# Altium PCB PCB1-nano-withlogo-SMT.PcbDoc (part 2 of 5)
Units mil, origin at the board's own origin, x right, y up, seen from the top; angles counter-clockwise.
Board outline 3300 x 2100 mil, 2 copper layers (Top Layer, Bottom Layer); 48 components, 47 nets, 232 pads, 66 vias.
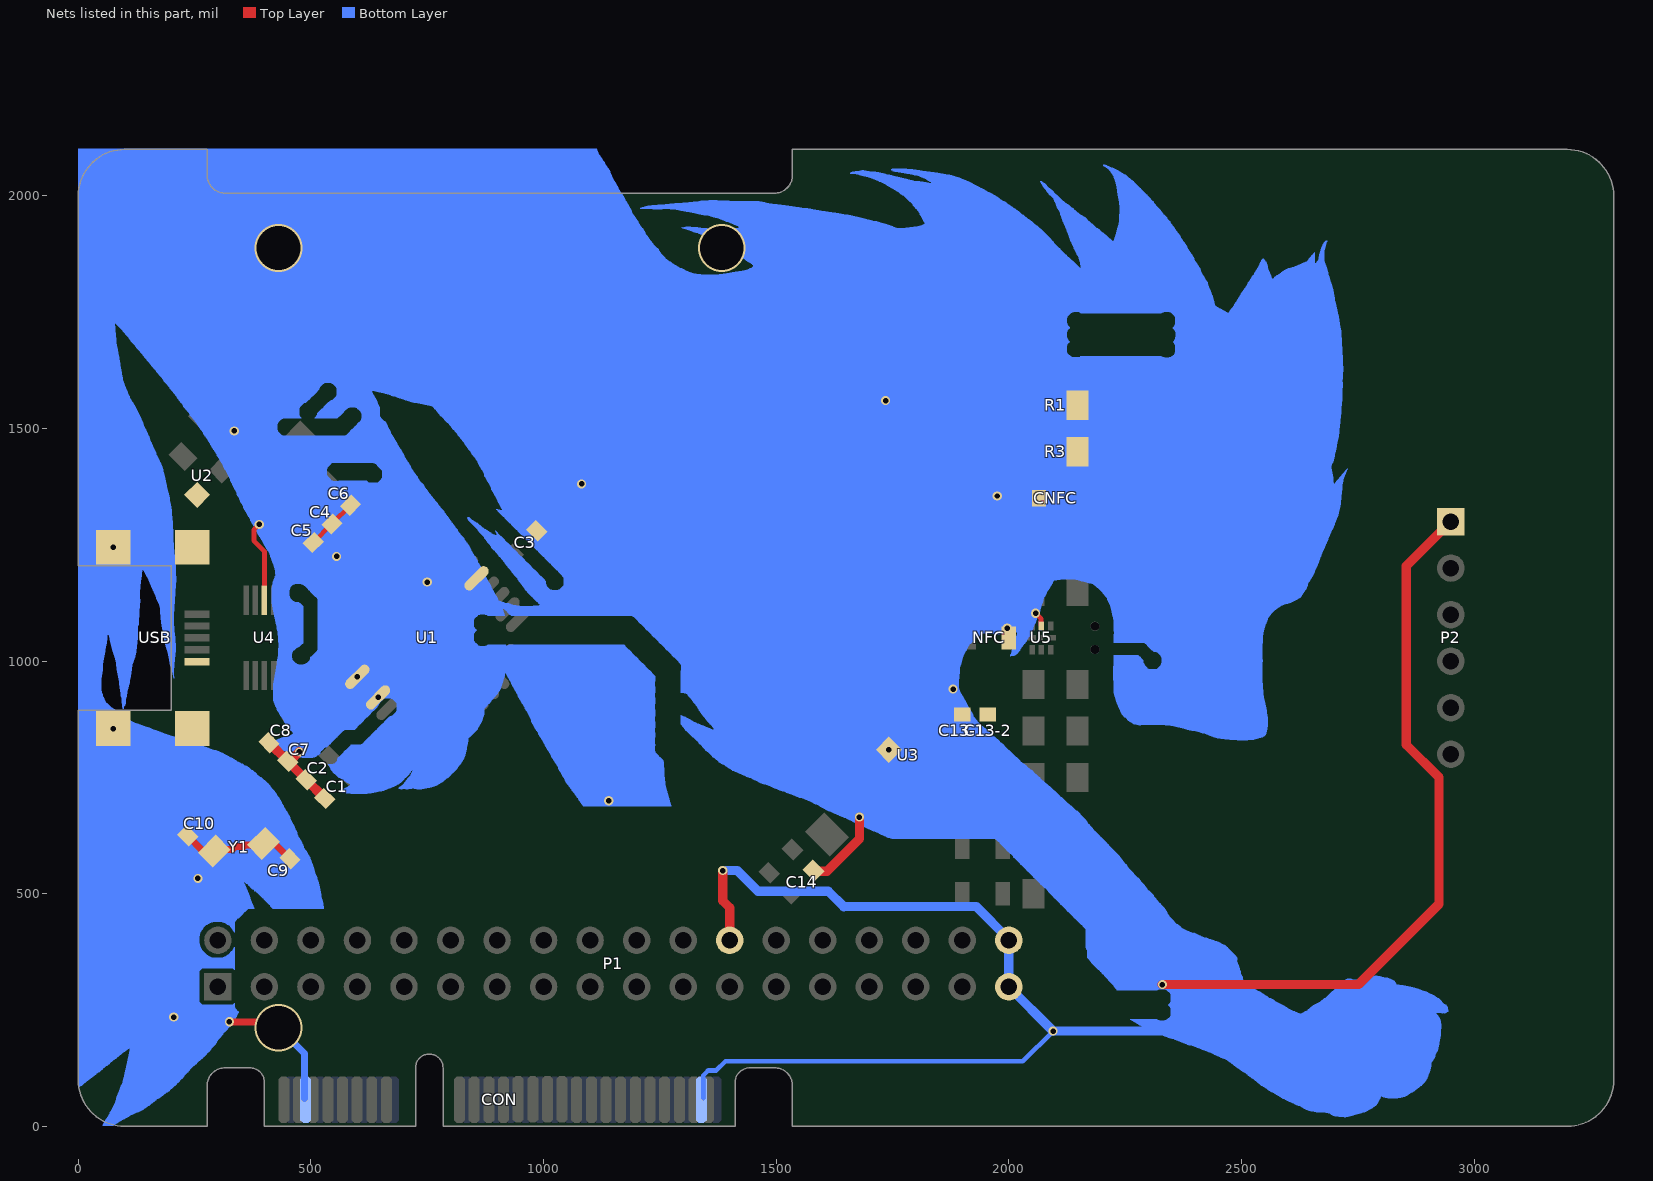
[diagram p2: the nets of this part, all layers, seen from the top]

## Via types
v1: diameter 19.68, hole 11.81, Top Layer to Bottom Layer, 55 vias
v2: diameter 20, hole 19.5, Top Layer to Bottom Layer, tented both sides, 8 vias
v3: diameter 102.36, hole 94.49, Top Layer to Bottom Layer, 3 vias

## Nets (pads, with @x,y where several pads share a name; then routed paths per layer and width w, separated by ;. In a path a pad name is that pad's centre, name@x,y a point inside that pad or via, vN(x,y) a via of type N, cw(c..) or ccw(c..) an arc to the next point about the centre after c; other vN are vias at no path point) (continued)
GND: (continued)
  Bottom Layer w1: 0,84 1,84 ; 0,85 2,85 ; 0,86 3,86 ; 0,87 4,87 ; 0,88 6,88 ; 0,89 7,89 ; 0,90 8,90 ; 0,91 10,91 ; 0,92 11,92 ; 0,93 12,93 ; 0,94 13,94 ; 0,95 15,95 ; 0,96 16,96 ; 0,97 17,97 ; 0,98 18,98 ; 0,99 20,99 ; 0,100 21,100 ; 0,101 22,101 ; 0,102 24,102 ; 0,103 25,103 ; 0,104 26,104 ; 0,105 27,105 ; 0,106 29,106 ; 0,107 30,107 ; 0,108 31,108 ; 0,109 33,109 ; 0,110 34,110 ; 0,111 35,111 ; 0,112 37,112 ; 0,113 38,113 ; 0,114 39,114 ; 0,115 41,115 ; 0,116 42,116 ; 0,117 43,117 ; 0,118 45,118 ; 0,119 46,119 ; 0,120 47,120 ; 0,121 48,121 ; 0,122 49,122 ; 0,123 51,123 ; 0,124 52,124 ; 0,125 53,125 ; 0,126 54,126 ; 0,127 56,127 ; 0,128 57,128 ; 0,129 58,129 ; 0,130 59,130 ; 0,131 61,131 ; 0,132 62,132 ; 0,133 63,133 ; 0,134 64,134 ; 0,135 66,135 ; 0,136 67,136 ; 0,137 68,137 ; 0,138 69,138 ; 0,139 70,139 ; 0,140 72,140 ; 0,141 73,141 ; 0,142 74,142 ; 0,143 75,143 ; 0,144 77,144 ; 0,145 78,145 ; 0,146 79,146 ; 0,147 81,147 ; 0,148 82,148 ; 0,149 83,149 ; 0,150 84,150 ; 0,151 86,151 ; 0,152 87,152 ; 0,153 88,153 ; 0,154 89,154 ; 0,155 91,155 ; 0,156 92,156 ; 0,157 93,157 ; 0,158 94,158 ; 0,159 96,159 ; 0,160 97,160 ; 0,161 98,161 ; 0,162 100,162 ; 0,163 101,163 ; 0,164 102,164 ; 0,165 104,165 ; 0,166 105,166 ; 0,167 106,167 ; 0,168 108,168 ; 0,169 109,169 ; 0,170 110,170 ; 0,171 289,171 ; 0,172 290,172 ; 0,173 291,173 ; 0,174 292,174 ; 0,175 292,175 ; 0,176 293,176 ; 0,177 294,177 ; 0,178 295,178 ; 0,179 295,179 ; 0,180 296,180 ; 0,181 297,181 ; 0,182 297,182 ; 0,183 298,183 ; 0,184 299,184 ; 0,185 300,185 ; 0,186 300,186 ; 0,187 301,187 ; 0,188 302,188 ; 0,189 303,189 ; 0,190 303,190 ; 0,191 304,191 ; 0,192 305,192 ; 0,193 306,193 ; 0,194 307,194 ; 0,195 307,195 ; 0,196 308,196 ; 0,197 309,197 ; 0,198 310,198 ; 0,199 311,199 ; 0,200 311,200 ; 0,201 312,201 ; 0,202 313,202 ; 0,203 314,203 ; 0,204 315,204 ; 0,205 316,205 ; 0,206 317,206 ; 0,207 318,207 ; 0,208 319,208 ; 0,209 320,209 ; 0,210 321,210 ; 0,211 321,211 ; 0,212 322,212 ; 0,213 323,213 ; 0,214 324,214 ; 0,215 325,215 ; 0,216 v1@326,216 ; 0,217 v1@326,217 ; 0,218 v1@327,218 ; 0,219 v1@328,219 ; 0,220 v1@329,220 ; 0,221 v1@330,221 ; 0,222 v1@330,222 ; 0,223 v1@331,223 ; 0,224 v1@332,224 ; 0,225 v1@332,225 ; 0,226 v1@333,226 ; 0,227 v1@334,227 ; 0,228 v1@334,228 ; 0,229 335,229 ; 0,230 335,230 ; 0,231 336,231 ; 0,232 336,232 ; 0,233 337,233 ; 0,234 338,234 ; 0,235 338,235 ; 0,236 339,236 ; 0,237 340,237 ; 0,238 340,238 ; 0,239 341,239 ; 0,240 342,240 ; 0,241 342,241 ; 0,242 343,242 ; 0,243 343,243 ; 0,244 344,244 ; 0,245 345,245 ; 0,246 345,246 ; 0,247 344,247 ; 0,248 343,248 ; 0,249 342,249 ; 0,250 341,250 ; 0,251 340,251 ; 0,252 339,252 ; 0,253 338,253 ; 0,254 337,254 ; 0,255 337,255 ; 0,256 336,256 ; 0,257 336,257 ; 0,258 336,258 ; 0,259 336,259 ; 0,260 336,260 ; 0,261 336,261 ; 0,262 336,262 ; 0,263 265,263 ; 0,264 264,264 ; 0,265 263,265 ; 0,266 262,266 ; 0,267 261,267 ; 0,268 260,268 ; 0,269 260,269 ; 0,270 260,270 ; 0,271 260,271 ; 0,272 260,272 ; 0,273 260,273 ; 0,274 260,274 ; 0,275 260,275 ; 0,276 260,276 ; 0,277 260,277 ; 0,278 260,278 ; 0,279 260,279 ; 0,280 260,280 ; 0,281 260,281 ; 0,282 260,282 ; 0,283 260,283 ; 0,284 260,284 ; 0,285 260,285 ; 0,286 260,286 ; 0,287 260,287 ; 0,288 260,288 ; 0,289 260,289 ; 0,290 260,290 ; 0,291 260,291 ; 0,292 260,292 ; 0,293 260,293 ; 0,294 260,294 ; 0,295 260,295 ; 0,296 260,296 ; 0,297 260,297 ; 0,298 260,298 ; 0,299 260,299 ; 0,300 260,300 ; 0,301 260,301 ; 0,302 260,302 ; 0,303 260,303 ; 0,304 260,304 ; 0,305 260,305 ; 0,306 260,306 ; 0,307 260,307 ; 0,308 260,308 ; 0,309 260,309 ; 0,310 260,310 ; 0,311 260,311 ; 0,312 260,312 ; 0,313 260,313 ; 0,314 260,314 ; 0,315 260,315 ; 0,316 260,316 ; 0,317 260,317 ; 0,318 260,318 ; 0,319 260,319 ; 0,320 260,320 ; 0,321 260,321 ; 0,322 260,322 ; 0,323 260,323 ; 0,324 260,324 ; 0,325 260,325 ; 0,326 260,326 ; 0,327 260,327 ; 0,328 260,328 ; 0,329 260,329 ; 0,330 260,330 ; 0,331 260,331 ; 0,332 260,332 ; 0,333 260,333 ; 0,334 260,334 ; 0,335 260,335 ; 0,336 261,336 ; 0,337 262,337 ; 0,338 263,338 ; 0,339 264,339 ; 0,340 265,340 ; 0,341 336,341 ; 0,342 336,342 ; 0,343 336,343 ; 0,344 336,344 ; 0,345 336,345 ; 0,346 336,346 ; 0,347 336,347 ; 0,348 336,348 ; 0,349 336,349 ; 0,350 336,350 ; 0,351 336,351 ; 0,352 336,352 ; 0,353 336,353 ; 0,354 336,354 ; 0,355 336,355 ; 0,356 336,356 ; 0,357 336,357 ; 0,358 336,358 ; 0,359 336,359 ; 0,360 336,360 ; 0,361 336,361 ; 0,362 336,362 ; 0,363 336,363 ; 0,364 286,364 ; 0,365 283,365 ; 0,366 281,366 ; 0,367 279,367 ; 0,368 278,368 ; 0,369 276,369 ; 0,370 275,370 ; 0,371 274,371 ; 0,372 273,372 ; 0,373 272,373 ; 0,374 271,374 ; 0,375 270,375 ; 0,376 269,376 ; 0,377 268,377 ; 0,378 267,378 ; 0,379 266,379 ; 0,380 265,380 ; 0,381 265,381 ; 0,382 264,382 ; 0,383 264,383 ; 0,384 263,384 ; 0,385 263,385 ; 0,386 262,386 ; 0,387 262,387 ; 0,388 262,388 ; 0,389 261,389 ; 0,390 261,390 ; 0,391 261,391 ; 0,392 261,392 ; 0,393 261,393 ; 0,394 260,394 ; 0,395 260,395 ; 0,396 260,396 ; 0,397 260,397 ; 0,398 260,398 ; 0,399 260,399 ; 0,400 260,400 ; 0,401 260,401 ; 0,402 260,402 ; 0,403 260,403 ; 0,404 260,404 ; 0,405 260,405 ; 0,406 260,406 ; 0,407 260,407 ; 0,408 260,408 ; 0,409 260,409 ; 0,410 260,410 ; 0,411 261,411 ; 0,412 261,412 ; 0,413 261,413 ; 0,414 261,414 ; 0,415 261,415 ; 0,416 262,416 ; 0,417 262,417 ; 0,418 262,418 ; 0,419 263,419 ; 0,420 263,420 ; 0,421 264,421 ; 0,422 264,422 ; 0,423 265,423 ; 0,424 266,424 ; 0,425 267,425 ; 0,426 267,426 ; 0,427 268,427 ; 0,428 269,428 ; 0,429 270,429 ; 0,430 271,430 ; 0,431 272,431 ; 0,432 273,432 ; 0,433 274,433 ; 0,434 276,434 ; 0,435 277,435 ; 0,436 278,436 ; 0,437 280,437 ; 0,438 282,438 ; 0,439 285,439 ; 0,440 289,440 ; 0,441 337,441 ; 0,442 337,442 ; 0,443 338,443 ; 0,444 339,444 ; 0,445 340,445 ; 0,446 341,446 ; 0,447 342,447 ; 0,448 344,448 ; 0,449 345,449 ; 0,450 346,450 ; 0,451 347,451 ; 0,452 348,452 ; 0,453 349,453 ; 0,454 350,454 ; 0,455 351,455 ; 0,456 352,456 ; 0,457 353,457 ; 0,458 354,458 ; 0,459 355,459 ; 0,460 356,460 ; 0,461 357,461 ; 0,462 358,462 ; 0,463 359,463 ; 0,464 360,464 ; 0,465 361,465 ; 0,466 362,466 ; 0,467 363,467 ; 0,468 364,468 ; 0,469 378,469 ; 0,470 378,470 ; 0,471 377,471 ; 0,472 377,472 ; 0,473 376,473 ; 0,474 376,474 ; 0,475 376,475 ; 0,476 375,476 ; 0,477 375,477 ; 0,478 374,478 ; 0,479 374,479 ; 0,480 374,480 ; 0,481 373,481 ; 0,482 373,482 ; 0,483 373,483 ; 0,484 372,484 ; 0,485 372,485 ; 0,486 371,486 ; 0,487 371,487 ; 0,488 371,488 ; 0,489 370,489 ; 0,490 370,490 ; 0,491 370,491 ; 0,492 369,492 ; 0,493 369,493 ; 0,494 368,494 ; 0,495 368,495 ; 0,496 368,496 ; 0,497 367,497 ; 0,498 367,498 ; 0,499 366,499 ; 0,500 366,500 ; 0,501 366,501 ; 0,502 365,502 ; 0,503 365,503 ; 0,504 364,504 ; 0,505 364,505 ; 0,506 364,506 ; 0,507 363,507 ; 0,508 363,508 ; 0,509 363,509 ; 0,510 362,510 ; 0,511 362,511 ; 0,512 361,512 ; 0,513 361,513 ; 0,514 361,514 ; 0,515 360,515 ; 0,516 360,516 ; 0,517 359,517 ; 0,518 359,518 ; 0,519 359,519 ; 0,520 358,520 ; 0,521 358,521 ; 0,522 357,522 ; 0,523 357,523 ; 0,524 356,524 ; 0,525 356,525 ; 0,526 356,526 ; 0,527 355,527 ; 0,528 516,528 ; 0,529 515,529 ; 0,530 515,530 ; 0,531 514,531 ; 0,532 514,532 ; 0,533 514,533 ; 0,534 513,534 ; 0,535 513,535 ; 0,536 513,536 ; 0,537 512,537 ; 0,538 512,538 ; 0,539 511,539 ; 0,540 511,540 ; 0,541 510,541 ; 0,542 510,542 ; 0,543 509,543 ; 0,544 509,544 ; 0,545 509,545 ; 0,546 508,546 ; 0,547 508,547 ; 0,548 508,548 ; 0,549 508,549 ; 0,550 507,550 ; 0,551 507,551 ; 0,552 507,552 ; 0,553 507,553 ; 0,554 507,554 ; 0,555 506,555 ; 0,556 506,556 ; 0,557 506,557 ; 0,558 505,558 ; 0,559 505,559 ; 0,560 505,560 ; 0,561 504,561 ; 0,562 504,562 ; 0,563 504,563 ; 0,564 503,564 ; 0,565 503,565 ; 0,566 503,566 ; 0,567 502,567 ; 0,568 502,568 ; 0,569 502,569 ; 0,570 501,570 ; 0,571 501,571 ; 0,572 501,572 ; 0,573 500,573 ; 0,574 500,574 ; 0,575 499,575 ; 0,576 499,576 ; 0,577 498,577 ; 0,578 498,578 ; 0,579 497,579 ; 0,580 497,580 ; 0,581 496,581 ; 0,582 496,582 ; 0,583 495,583 ; 0,584 494,584 ; 0,585 494,585 ; 0,586 493,586 ; 0,587 493,587 ; 0,588 492,588 ; 0,589 492,589 ; 0,590 491,590 ; 0,591 491,591 ; 0,592 490,592 ; 0,593 489,593 ; 0,594 489,594 ; 0,595 488,595 ; 0,596 487,596 ; 0,597 487,597 ; 0,598 486,598 ; 0,599 485,599 ; 0,600 485,600 ; 0,601 484,601 ; 0,602 484,602 ; 0,603 483,603 ; 0,604 483,604 ; 0,605 483,605 ; 0,606 482,606 ; 0,607 482,607 ; 0,608 481,608 ; 0,609 481,609 ; 0,610 481,610 ; 0,611 480,611 ; 0,612 480,612 ; 0,613 479,613 ; 0,614 479,614 ; 0,615 478,615 ; 0,616 477,616 ; 0,617 477,617 ; 0,618 476,618 ; 0,619 476,619 ; 0,620 475,620 ; 0,621 474,621 ; 0,622 474,622 ; 0,623 473,623 ; 0,624 473,624 ; 0,625 473,625 ; 0,626 472,626 ; 0,627 472,627 ; 0,628 471,628 ; 0,629 471,629 ; 0,630 471,630 ; 0,631 470,631 ; 0,632 470,632 ; 0,633 469,633 ; 0,634 469,634 ; 0,635 468,635 ; 0,636 468,636 ; 0,637 468,637 ; 0,638 467,638 ; 0,639 466,639 ; 0,640 466,640 ; 0,641 466,641 ; 0,642 465,642 ; 0,643 465,643 ; 0,644 465,644 ; 0,645 464,645 ; 0,646 464,646 ; 0,647 463,647 ; 0,648 463,648 ; 0,649 462,649 ; 0,650 462,650 ; 0,651 461,651 ; 0,652 461,652 ; 0,653 460,653 ; 0,654 460,654 ; 0,655 459,655 ; 0,656 459,656 ; 0,657 458,657 ; 0,658 458,658 ; 0,659 457,659 ; 0,660 457,660 ; 0,661 456,661 ; 0,662 456,662 ; 0,663 455,663 ; 0,664 455,664 ; 0,665 455,665 ; 0,666 454,666 ; 0,667 454,667 ; 0,668 453,668 ; 0,669 453,669 ; 0,670 452,670 ; 0,671 451,671 ; 0,672 451,672 ; 0,673 450,673 ; 0,674 450,674 ; 0,675 449,675 ; 0,676 449,676 ; 0,677 448,677 ; 0,678 447,678 ; 0,679 447,679 ; 0,680 446,680 ; 0,681 446,681 ; 0,682 445,682 ; 0,683 445,683 ; 0,684 444,684 ; 0,685 443,685 ; 0,686 443,686 ; 0,687 442,687 ; 0,688 441,688 ; 0,689 441,689 ; 0,690 440,690 ; 0,691 439,691 ; 0,692 439,692 ; 0,693 438,693 ; 0,694 437,694 ; 0,695 437,695 ; 0,696 437,696 ; 0,697 437,697 ; 0,698 436,698 ; 0,699 436,699 ; 0,700 435,700 ; 0,701 435,701 ; 0,702 434,702 ; 0,703 433,703 ; 0,704 433,704 ; 0,705 432,705 ; 0,706 432,706 ; 0,707 431,707 ; 0,708 430,708 ; 0,709 430,709 ; 0,710 429,710 ; 0,711 428,711 ; 0,712 428,712 ; 0,713 427,713 ; 0,714 426,714 ; 0,715 425,715 ; 0,716 425,716 ; 0,717 424,717 ; 0,718 423,718 ; 0,719 422,719 ; 0,720 422,720 ; 0,721 421,721 ; 0,722 420,722 ; 0,723 420,723 ; 0,724 419,724 ; 0,725 418,725 ; 0,726 417,726 ; 0,727 416,727 ; 0,728 415,728 ; 0,729 415,729 ; 0,730 414,730 ; 0,731 413,731 ; 0,732 412,732 ; 0,733 411,733 ; 0,734 410,734 ; 0,735 409,735 ; 0,736 409,736 ; 0,737 408,737 ; 0,738 407,738 ; 0,739 406,739 ; 0,740 405,740 ; 0,741 404,741 ; 0,742 403,742 ; 0,743 402,743 ; 0,744 401,744 ; 0,745 398,745 ; 0,746 397,746 ; 0,747 396,747 ; 0,748 395,748 ; 0,749 394,749 ; 0,750 393,750 ; 0,751 391,751 ; 0,752 390,752 ; 0,753 389,753 ; 0,754 388,754 ; 0,755 386,755 ; 0,756 385,756 ; 0,757 384,757 ; 0,758 383,758 ; 0,759 382,759 ; 0,760 381,760 ; 0,761 380,761 ; 0,762 378,762 ; 0,763 377,763 ; 0,764 376,764 ; 0,765 375,765 ; 0,766 374,766 ; 0,767 372,767 ; 0,768 371,768 ; 0,769 370,769 ; 0,770 368,770 ; 0,771 367,771 ; 0,772 366,772 ; 0,773 364,773 ; 0,774 363,774 ; 0,775 361,775 ; 0,776 357,776 ; 0,777 356,777 ; 0,778 354,778 ; 0,779 353,779 ; 0,780 351,780 ; 0,781 349,781 ; 0,782 348,782 ; 0,783 346,783 ; 0,784 344,784 ; 0,785 341,785 ; 0,786 340,786 ; 0,787 338,787 ; 0,788 336,788 ; 0,789 335,789 ; 0,790 333,790 ; 0,791 332,791 ; 0,792 330,792 ; 0,793 327,793 ; 0,794 326,794 ; 0,795 324,795 ; 0,796 323,796 ; 0,797 321,797 ; 0,798 319,798 ; 0,799 317,799 ; 0,800 315,800 ; 0,801 313,801 ; 0,802 311,802 ; 0,803 309,803 ; 0,804 306,804 ; 0,805 304,805 ; 0,806 302,806 ; 0,807 299,807 ; 0,808 296,808 ; 0,809 293,809 ; 0,810 290,810 ; 0,811 287,811 ; 0,812 284,812 ; 0,813 281,813 ; 0,814 279,814 ; 0,815 276,815 ; 0,816 273,816 ; 0,817 270,817 ; 0,818 267,818 ; 0,819 264,819 ; 0,820 261,820 ; 0,821 258,821 ; 0,822 255,822 ; 0,823 253,823 ; 0,824 250,824 ; 0,825 247,825 ; 0,826 245,826 ; 0,827 242,827 ; 0,828 240,828 ; 0,829 238,829 ; 0,830 235,830 ; 0,831 232,831 ; 0,832 228,832 ; 0,833 224,833 ; 0,834 219,834 ; 0,835 216,835 ; 0,836 213,836 ; 0,837 210,837 ; 0,838 207,838 ; 0,839 204,839 ; 0,840 200,840 ; 0,841 197,841 ; 0,842 193,842 ; 0,843 190,843 ; 0,844 187,844 ; 0,845 184,845 ; 0,846 181,846 ; 0,847 178,847 ; 0,848 176,848 ; 0,849 173,849 ; 0,850 170,850 ; 0,851 167,851 ; 0,852 165,852 ; 0,853 163,853 ; 0,854 160,854 ; 0,855 158,855 ; 0,856 156,856 ; 0,857 153,857 ; 0,858 150,858 ; 0,859 146,859 ; 0,860 143,860 ; 0,861 140,861 ; 0,862 137,862 ; 0,863 134,863 ; 0,864 131,864 ; 0,865 129,865 ; 0,866 126,866 ; 0,867 124,867 ; 0,868 121,868 ; 0,869 119,869 ; 0,870 117,870 ; 0,871 115,871 ; 0,872 113,872 ; 0,873 111,873 ; 0,874 110,874 ; 0,875 109,875 ; 0,876 108,876 ; 0,877 107,877 ; 0,878 106,878 ; 0,879 105,879 ; 0,880 104,880 ; 0,881 103,881 ; 0,882 102,882 ; 0,883 100,883 ; 0,884 99,884 ; 0,885 98,885 ; 0,886 97,886 ; 0,887 95,887 ; 0,888 93,888 ; 0,889 92,889 ; 0,890 90,890 ; 0,891 88,891 ; 0,892 86,892 ; 0,893 85,893 ; 0,894 83,894 ; 0,895 81,895 ; 0,896 79,896 ; 0,897 78,897 ; 0,898 76,898 ; 0,899 74,899 ; 0,900 73,900 ; 0,901 71,901 ; 0,902 70,902 ; 0,903 69,903 ; 0,904 68,904 ; 0,905 66,905 ; 0,906 65,906 ; 0,907 64,907 ; 0,908 63,908 ; 0,909 62,909 ; 0,910 61,910 ; 0,911 60,911 ; 0,912 59,912 ; 0,913 59,913 ; 0,914 58,914 ; 0,915 58,915 ; 0,916 57,916 ; 0,917 57,917 ; 0,918 56,918 ; 0,919 56,919 ; 0,920 56,920 ; 0,921 55,921 ; 0,922 55,922 ; 0,923 54,923 ; 0,924 54,924 ; 0,925 53,925 ; 0,926 53,926 ; 0,927 52,927 ; 0,928 52,928 ; 0,929 52,929 ; 0,930 51,930 ; 0,931 51,931 ; 0,932 50,932 ; 0,933 50,933 ; 0,934 50,934 ; 0,935 50,935 ; 0,936 49,936 ; 0,937 49,937 ; 0,938 49,938 ; 0,939 49,939 ; 0,940 49,940 ; 0,941 49,941 ; 0,942 49,942 ; 0,943 49,943 ; 0,944 49,944 ; 0,945 49,945 ; 0,946 49,946 ; 0,947 49,947 ; 0,948 49,948 ; 0,949 49,949 ; 0,950 49,950 ; 0,951 49,951 ; 0,952 49,952 ; 0,953 49,953 ; 0,954 49,954 ; 0,955 49,955 ; 0,956 49,956 ; 0,957 49,957 ; 0,958 49,958 ; 0,959 49,959 ; 0,960 49,960 ; 0,961 49,961 ; 0,962 49,962 ; 0,963 49,963 ; 0,964 49,964 ; 0,965 49,965 ; 0,966 50,966 ; 0,967 50,967 ; 0,968 50,968 ; 0,969 50,969 ; 0,970 50,970 ; 0,971 50,971 ; 0,972 50,972 ; 0,973 51,973 ; 0,974 51,974 ; 0,975 51,975 ; 0,976 51,976 ; 0,977 51,977 ; 0,978 51,978 ; 0,979 52,979 ; 0,980 52,980 ; 0,981 52,981 ; 0,982 52,982 ; 0,983 52,983 ; 0,984 52,984 ; 0,985 52,985 ; 0,986 52,986 ; 0,987 52,987 ; 0,988 52,988 ; 0,989 52,989 ; 0,990 52,990 ; 0,991 53,991 ; 0,992 53,992 ; 0,993 53,993 ; 0,994 53,994 ; 0,995 53,995 ; 0,996 53,996 ; 0,997 53,997 ; 0,998 54,998 ; 0,999 54,999 ; 0,1000 54,1000 ; 0,1001 54,1001 ; 0,1002 54,1002 ; 0,1003 54,1003 ; 0,1004 55,1004 ; 0,1005 55,1005 ; 0,1006 55,1006 ; 0,1007 55,1007 ; 0,1008 55,1008 ; 0,1009 55,1009 ; 0,1010 56,1010 ; 0,1011 56,1011 ; 0,1012 56,1012 ; 0,1013 56,1013 ; 0,1014 56,1014 ; 0,1015 57,1015 ; 0,1016 57,1016 ; 0,1017 57,1017 ; 0,1018 57,1018 ; 0,1019 57,1019 ; 0,1020 58,1020 ; 0,1021 58,1021 ; 0,1022 58,1022 ; 0,1023 58,1023 ; 0,1024 58,1024 ; 0,1025 58,1025 ; 0,1026 58,1026 ; 0,1027 58,1027 ; 0,1028 58,1028 ; 0,1029 59,1029 ; 0,1030 59,1030 ; 0,1031 59,1031 ; 0,1032 59,1032 ; 0,1033 59,1033 ; 0,1034 60,1034 ; 0,1035 60,1035 ; 0,1036 60,1036 ; 0,1037 60,1037 ; 0,1038 60,1038 ; 0,1039 61,1039 ; 0,1040 61,1040 ; 0,1041 61,1041 ; 0,1042 61,1042 ; 0,1043 61,1043 ; 0,1044 61,1044 ; 0,1045 61,1045 ; 0,1046 62,1046 ; 0,1047 62,1047 ; 0,1048 62,1048 ; 0,1049 62,1049 ; 0,1050 62,1050 ; 0,1051 62,1051 ; 0,1052 62,1052 ; 0,1053 62,1053 ; 0,1054 62,1054 ; 0,1055 62,1055 ; 0,1056 62,1056 ; 0,1057 62,1057 ; 0,1058 128,1058 ; 0,1059 128,1059 ; 0,1060 128,1060 ; 0,1061 128,1061 ; 0,1062 128,1062 ; 0,1063 128,1063 ; 0,1064 128,1064 ; 0,1065 128,1065 ; 0,1066 128,1066 ; 0,1067 128,1067 ; 0,1068 128,1068 ; 0,1069 128,1069 ; 0,1070 128,1070 ; 0,1071 128,1071 ; 0,1072 128,1072 ; 0,1073 128,1073 ; 0,1074 128,1074 ; 0,1075 128,1075 ; 0,1076 128,1076 ; 0,1077 129,1077 ; 0,1078 129,1078 ; 0,1079 130,1079 ; 0,1080 130,1080 ; 0,1081 130,1081 ; 0,1082 130,1082 ; 0,1083 130,1083 ; 0,1084 130,1084 ; 0,1085 130,1085 ; 0,1086 130,1086 ; 0,1087 130,1087 ; 0,1088 130,1088 ; 0,1089 130,1089 ; 0,1090 130,1090 ; 0,1091 130,1091 ; 0,1092 130,1092 ; 0,1093 130,1093 ; 0,1094 130,1094 ; 0,1095 131,1095 ; 0,1096 131,1096 ; 0,1097 131,1097 ; 0,1098 131,1098 ; 0,1099 131,1099 ; 0,1100 131,1100 ; 0,1101 131,1101 ; 0,1102 131,1102 ; 0,1103 131,1103 ; 0,1104 131,1104 ; 0,1105 131,1105 ; 0,1106 131,1106 ; 0,1107 131,1107 ; 0,1108 131,1108 ; 0,1109 131,1109 ; 0,1110 131,1110 ; 0,1111 131,1111 ; 0,1112 131,1112 ; 0,1113 131,1113 ; 0,1114 131,1114 ; 0,1115 132,1115 ; 0,1116 132,1116 ; 0,1117 132,1117 ; 0,1118 132,1118 ; 0,1119 132,1119 ; 0,1120 132,1120 ; 0,1121 132,1121 ; 0,1122 132,1122 ; 0,1123 132,1123 ; 0,1124 132,1124 ; 0,1125 132,1125 ; 0,1126 132,1126 ; 0,1127 133,1127 ; 0,1128 133,1128 ; 0,1129 133,1129 ; 0,1130 133,1130 ; 0,1131 133,1131 ; 0,1132 133,1132 ; 0,1133 133,1133 ; 0,1134 132,1134 ; 0,1135 132,1135 ; 0,1136 132,1136 ; 0,1137 132,1137 ; 0,1138 132,1138 ; 0,1139 132,1139 ; 0,1140 132,1140 ; 0,1141 132,1141 ; 0,1142 132,1142 ; 0,1143 132,1143 ; 0,1144 132,1144 ; 0,1145 132,1145 ; 0,1146 132,1146 ; 0,1147 132,1147 ; 0,1148 132,1148 ; 0,1149 132,1149 ; 0,1150 132,1150 ; 0,1151 132,1151 ; 0,1152 132,1152 ; 0,1153 132,1153 ; 0,1154 132,1154 ; 0,1155 132,1155 ; 0,1156 133,1156 ; 0,1157 133,1157 ; 0,1158 133,1158 ; 0,1159 133,1159 ; 0,1160 133,1160 ; 0,1161 133,1161 ; 0,1162 133,1162 ; 0,1163 133,1163 ; 0,1164 133,1164 ; 0,1165 133,1165 ; 0,1166 133,1166 ; 0,1167 134,1167 ; 0,1168 134,1168 ; 0,1169 134,1169 ; 0,1170 134,1170 ; 0,1171 134,1171 ; 0,1172 134,1172 ; 0,1173 134,1173 ; 0,1174 134,1174 ; 0,1175 134,1175 ; 0,1176 135,1176 ; 0,1177 135,1177 ; 0,1178 135,1178 ; 0,1179 135,1179 ; 0,1180 135,1180 ; 0,1181 135,1181 ; 0,1182 135,1182 ; 0,1183 136,1183 ; 0,1184 136,1184 ; 0,1185 136,1185 ; 0,1186 136,1186 ; 0,1187 136,1187 ; 0,1188 136,1188 ; 0,1189 136,1189 ; 0,1190 136,1190 ; 0,1191 136,1191 ; 0,1192 136,1192 ; 0,1193 137,1193 ; 0,1194 137,1194 ; 0,1195 137,1195 ; 0,1196 137,1196 ; 0,1197 137,1197 ; 0,1198 209,1198 ; 0,1199 209,1199 ; 0,1200 209,1200 ; 0,1201 209,1201 ; 0,1202 209,1202 ; 0,1203 209,1203 ; 0,1204 209,1204 ; 0,1205 209,1205 ; 0,1206 209,1206 ; 0,1207 209,1207 ; 0,1208 208,1208 ; 0,1209 208,1209 ; 0,1210 208,1210 ; 0,1211 208,1211 ; 0,1212 208,1212 ; 0,1213 208,1213 ; 0,1214 208,1214 ; 0,1215 208,1215 ; 0,1216 208,1216 ; 0,1217 208,1217 ; 0,1218 208,1218 ; 0,1219 208,1219 ; 0,1220 208,1220 ; 0,1221 208,1221 ; 0,1222 208,1222 ; 0,1223 207,1223 ; 0,1224 207,1224 ; 0,1225 207,1225 ; 0,1226 207,1226 ; 0,1227 207,1227 ; 0,1228 207,1228 ; 0,1229 207,1229 ; 0,1230 206,1230 ; 0,1231 206,1231 ; 0,1232 206,1232 ; 0,1233 206,1233 ; 0,1234 206,1234 ; 0,1235 206,1235 ; 0,1236 206,1236 ; 0,1237 206,1237 ; 0,1238 206,1238 ; 0,1239 206,1239 ; 0,1240 205,1240 ; 0,1241 205,1241 ; 0,1242 205,1242 ; 0,1243 205,1243 ; 0,1244 205,1244 ; 0,1245 205,1245 ; 0,1246 205,1246 ; 0,1247 205,1247 ; 0,1248 205,1248 ; 0,1249 205,1249 ; 0,1250 205,1250 ; 0,1251 205,1251 ; 0,1252 205,1252 ; 0,1253 205,1253 ; 0,1254 205,1254 ; 0,1255 204,1255 ; 0,1256 204,1256 ; 0,1257 204,1257 ; 0,1258 204,1258 ; 0,1259 204,1259 ; 0,1260 204,1260 ; 0,1261 204,1261 ; 0,1262 204,1262 ; 0,1263 204,1263 ; 0,1264 204,1264 ; 0,1265 204,1265 ; 0,1266 204,1266 ; 0,1267 204,1267 ; 0,1268 204,1268 ; 0,1269 204,1269 ; 0,1270 204,1270 ; 0,1271 204,1271 ; 0,1272 204,1272 ; 0,1273 204,1273 ; 0,1274 204,1274 ; 0,1275 204,1275 ; 0,1276 204,1276 ; 0,1277 204,1277 ; 0,1278 204,1278 ; 0,1279 204,1279 ; 0,1280 204,1280 ; 0,1281 204,1281 ; 0,1282 204,1282 ; 0,1283 204,1283 ; 0,1284 204,1284 ; 0,1285 203,1285 ; 0,1286 203,1286 ; 0,1287 203,1287 ; 0,1288 203,1288 ; 0,1289 203,1289 ; 0,1290 203,1290 ; 0,1291 203,1291 ; 0,1292 203,1292 ; 0,1293 203,1293 ; 0,1294 203,1294 ; 0,1295 203,1295 ; 0,1296 203,1296 ; 0,1297 203,1297 ; 0,1298 203,1298 ; 0,1299 203,1299 ; 0,1300 203,1300 ; 0,1301 203,1301 ; 0,1302 203,1302 ; 0,1303 202,1303 ; 0,1304 202,1304 ; 0,1305 202,1305 ; 0,1306 202,1306 ; 0,1307 202,1307 ; 0,1308 202,1308 ; 0,1309 202,1309